# Altium PCB CL-HC-M-V2.1.PcbDoc (part 3 of 19)
Units mil, origin at the board's own origin, x right, y up, seen from the top; angles counter-clockwise.
Board outline 27559.06 x 27559.06 mil, 2 copper layers (TopLayer, BottomLayer); 704 components, 528 nets, 2453 pads, 1851 vias.
Unrouted connection lines stored in the file: 126.
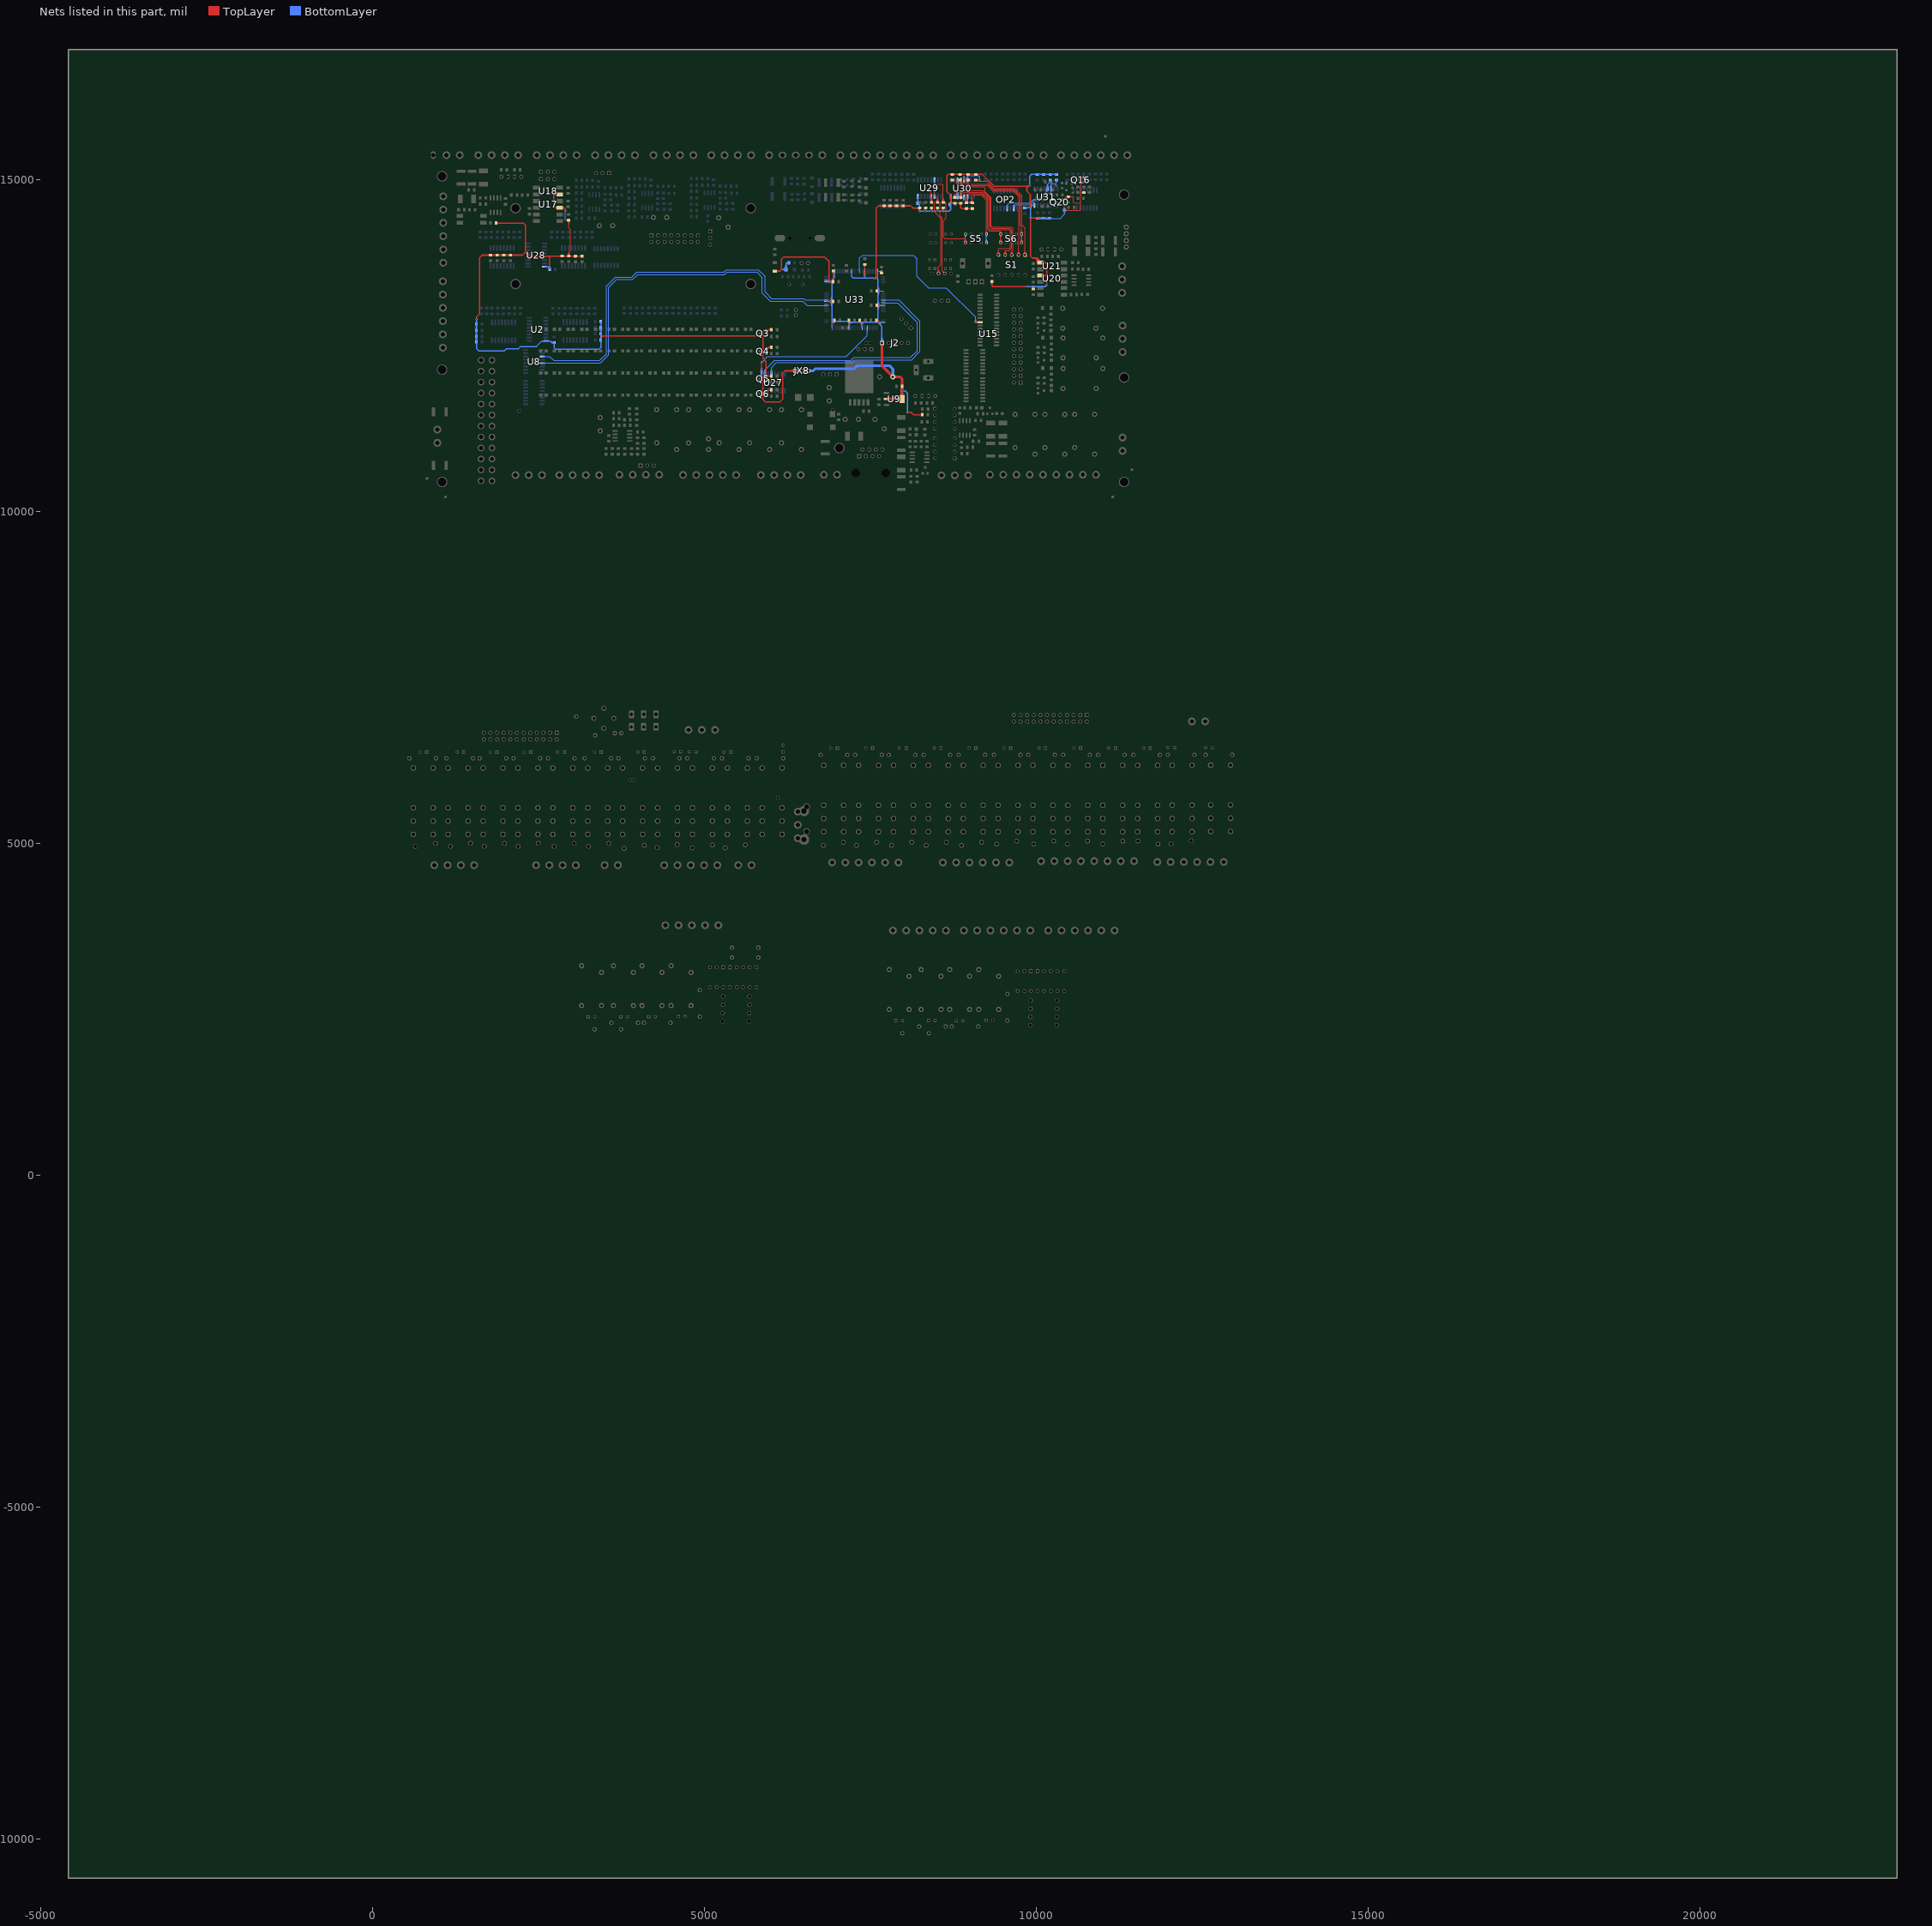
[diagram p3: the nets of this part, all layers, seen from the top]

## Via types
v1: diameter 25, hole 15, TopLayer to BottomLayer, tented both sides, 1813 vias
v2: diameter 20, hole 12, TopLayer to BottomLayer, tented both sides, 24 vias
v3: diameter 25, hole 15, TopLayer to BottomLayer, 13 vias
v4: diameter 40, hole 24, TopLayer to BottomLayer, tented both sides, 1 vias

## Nets (pads, with @x,y where several pads share a name; then routed paths per layer and width w, separated by ;. In a path a pad name is that pad's centre, name@x,y a point inside that pad or via, vN(x,y) a via of type N, cw(c..) or ccw(c..) an arc to the next point about the centre after c; other vN are vias at no path point) (continued)
3V3: C49.1 C50.1 C60.2 C61.2 C64.2 C65.2 C66.2 C67.2 C69.2 C70.2 C71.2 C74.2 C75.2 C76.2 C77.2 C78.2 C82.2 C84.2 D12.2 D13.1 J2.1 JX8.1 JX8.2 JX8.3 Q3.3 Q4.3 Q5.3 Q6.3 Q16.3 Q20.3 R39.2 R40.2 R41.2 R42.2 R43.2 R44.2 R45.2 R46.2 R47.2 R48.2 R49.2 R50.2 R51.2 R52.2 R66.1 R75.2 R76.2 R77.2 R78.2 R81.2 R82.2 R83.1 R84.1 R85.1 R86.1 R87.2 R88.2 R89.2 R90.2 R91.2 R92.1 R93.2 R94.2 R95.2 R96.2 R97.2 R98.1 R99.1 R109.1 R148.2@1861.13,14346.15 R149.2@1563.79,12826.25 R150.2@1562.87,12729.49 R151.2@1563.79,12634.75 R152.2@1565.89,12557.35 R174.1 R175.1@9957.13,13353.69 R189.1 R207.1 R209.1 R211.1 R213.1 R259.1 R267.1 U2.16 U9.2 U17.1 U18.1 U20.1 U21.1 U28.16 U29.16 U30.16 U31.16 U33.17 U33.32 U33.33 U33.39 U33.52 U33.62 U33.72 U33.84 U33.95 U33.108 U33.121 U33.131 U33.144 | length 57652.9
  TopLayer w10: R40.2@3155.7,13849.63 R40.2@3157.38,13847.95 ; v1@6898.56,13453.99 C64.2@6936.84,13446.29 ; v1@6898.62,13468.36 C64.2@6936.96,13475.74 ; v1@6899.55,13159.31 C71.2@6936.6,13151.23 ; v1@6899.75,13173.64 C71.2@6937.03,13180.63 ; v1@6901.42,13453.7 C64.2@6939.78,13461 ; v1@6901.46,13453.7 C64.2@6939.63,13461.16 ; v1@6902.49,13158.97 C71.2@6939.78,13165.89 ; v1@6902.61,13158.98 C71.2@6939.23,13166.44 ; v1@6902.61,13173.9 C71.2@6939.23,13166.44 ; v1@6902.71,13173.89 C71.2@6939.78,13165.89 ; v1@6904.19,13454.51 C64.2@6936.96,13475.74 ; v1@6904.24,13467.79 C64.2@6936.84,13446.29 ; v1@6905.34,13159.8 C71.2@6937.03,13180.63 ; v1@6905.53,13172.98 C71.2@6936.6,13151.23 ; v1(6923.41,12828.83) 6948.03,12828.83 ; v1@6924.55,12821.42 6948.03,12828.83 ; v1@6924.55,12836.24 6948.03,12828.83 ; C64.2@6925.16,13469.37 6943.65,13516.25 ; C70.2@6928.81,13620.33 6943.65,13572.58 C70.2@6958.48,13620.33 ; C64.2@6939.78,13466 6943.65,13516.25 ; C61.2@6942.58,12873.1 6957.28,12838.08 ; C70.2@6943.65,13622.58 6943.65,13464.86 C64.2@6939.78,13461 ; C64.2@6954.74,13467.09 6943.65,13516.25 ; C61.2@6957.28,12876.06 6957.28,12838.08 ; C61.2@6957.28,12881.06 6957.28,12838.08 ; C61.2@6971.99,12873.1 6957.28,12838.08 ; C84.2@7327.91,12872.06 7342.58,12838.89 ; C84.2@7342.58,12875.16 7342.58,12838.89 ; C84.2@7342.58,12880.16 7342.58,12838.89 ; C84.2@7357.26,12872.06 7342.58,12838.89 ; v1@7376.12,12821.42 7352.64,12828.83 ; v1@7376.12,12836.24 7352.64,12828.83 ; v1(7377.27,12828.83) 7352.64,12828.83 ; C69.2@7400.67,13720.94 7416.09,13673.36 ; v1@7408.61,13565.23 7416.09,13607.07 v1@7423.56,13565.23 ; v1(7416.09,13564.57) 7416.09,13722.76 C69.2@7415.48,13723.37 7416.09,13673.36 ; C69.2@7430.33,13721.3 7416.09,13673.36 ; C66.2@7590.53,12881.15 7625.73,12881.15 ; C66.2@7593.72,12866.5 7625.73,12881.15 ; C66.2@7593.72,12895.81 7625.73,12881.15 ; v1@7627.66,12852.86 7635.04,12871.85 ; v1@7631.41,13100.82 C67.2@7600.68,13122.08 ; v1@7631.41,13113.95 C67.2@7600.68,13092.69 ; v1@7631.41,13317.35 C65.2@7600.68,13338.61 ; v1@7631.41,13330.48 C65.2@7600.68,13309.22 ; v1@7634.28,13099.92 C67.2@7597.67,13107.39 ; v1@7634.28,13114.85 C67.2@7597.67,13107.39 ; v1@7634.28,13316.46 C65.2@7597.67,13323.92 ; v1@7634.28,13331.38 C65.2@7597.67,13323.92 ; v1(7635.04,12851.48) 7635.04,12871.85 ; v1@7637.28,13100.23 C67.2@7600.68,13092.69 ; v1@7637.28,13114.54 C67.2@7600.68,13122.08 ; v1@7637.28,13316.76 C65.2@7600.68,13309.22 ; v1@7637.28,13331.08 C65.2@7600.68,13338.61 ; v1@7640.01,13323.37 v1(7635.04,13323.92) ; v1@7642.41,12852.86 7635.04,12871.85 ; v1(6900.74,13461.16) C64.2@6939.63,13461.16 ; v1(6900.74,13461.16) C64.2@6936.84,13446.29 ; v1(6900.74,13461.16) C64.2@6936.96,13475.74 ; v1(6900.74,13461.16) C64.2@6939.78,13461 ; v1(6901.86,13166.44) C71.2@6939.23,13166.44 ; v1(6901.86,13166.44) C71.2@6936.6,13151.23 ; v1(6901.86,13166.44) C71.2@6937.03,13180.63 ; v1(6901.86,13166.44) C71.2@6939.78,13165.89 ; C71.2@6939.23,13166.44 C71.2@6939.78,13165.89 ; C64.2@6939.63,13461.16 C64.2@6939.78,13461 ; C64.2@6939.63,13461.16 6901.46,13468.63 C64.2@6939.78,13461 ; 6948.03,12828.83 6957.28,12838.08 ; 7342.58,12838.89 7352.64,12828.83 ; C67.2@7597.67,13107.39 v1(7635.04,13107.39) ; C65.2@7597.67,13323.92 v1(7635.04,13323.92) ; C67.2@7600.68,13092.69 v1(7635.04,13107.39) ; C67.2@7600.68,13122.08 v1(7635.04,13107.39) ; C65.2@7600.68,13309.22 v1(7635.04,13323.92) ; C65.2@7600.68,13338.61 v1(7635.04,13323.92) ; 7625.73,12881.15 7635.04,12871.85
  TopLayer w15: U17.1@2823.29,14577.96 2892.57,14577.96 ; U17.1@2842.98,14577.96 2892.57,14577.96 ; U17.1@2847.87,14556.49 2892.57,14577.96 ; U17.1@2847.87,14599.44 2892.57,14577.96 ; v1(2906.76,14534.69) 2906.76,14563.78 2892.57,14577.96 ; R174.1@2941.62,14388.56 2954.07,14324.76 R174.1@2966.51,14388.56 ; R87.2@2944.98,13851.24 2957.38,13898.18 ; R174.1@2947.22,14377.4 v1(2906.76,14389.76) ; R174.1@2947.22,14402.12 v1(2906.76,14389.76) ; R174.1@2949.07,14389.76 v1(2906.76,14389.76) ; R87.2@2957.38,13849.63 2957.38,13898.18 ; R87.2@2969.77,13851.24 2957.38,13898.18 ; Q20.3@10400.92,14696.83 10433.19,14696.84 ; Q20.3@10401.9,14696.83 10433.19,14696.84 ; Q20.3@10403.57,14686.76 10433.19,14696.84 ; Q20.3@10403.57,14706.91 10433.19,14696.84 ; R267.1@10475.84,14756.25 10449.93,14743.9 ; R267.1@10475.98,14731.85 10449.93,14743.9 ; R267.1@10478.63,14744.07 10449.93,14743.9 ; R267.1@10488.63,14744.07 10546.53,14743.9 ; R267.1@10489.95,14731.64 10546.53,14743.9 ; R267.1@10490.02,14756.49 10546.53,14743.9 ; R259.1@10709.97,14793.09 10680.04,14805.35 ; R259.1@10709.97,14817.62 10680.04,14805.35 ; R259.1@10712.38,14805.35 10680.04,14805.35 ; Q16.3@10714.7,15025.84 10685.68,15035.91 ; Q16.3@10714.7,15045.98 10685.68,15035.91 ; Q16.3@10716.4,15035.91 10685.68,15035.91 ; R259.1@10717.38,14805.35 10680.04,14805.35 ; Q16.3@10717.38,15035.91 10685.68,15035.91 ; v1(2906.76,14389.76) R174.1@2954.07,14389.76 2954.07,14271.89 2982.48,14243.47 2982.48,13923.28 2957.38,13898.18 ; 10433.19,14696.84 10441.66,14705.31 10441.66,14735.63 10449.93,14743.9 ; 10449.93,14743.9 10546.53,14743.9 ; 10459.76,14538.86 10423.88,14574.74 v1(10423.88,14575.85) 10459.76,14538.86 ; 10459.76,14538.86 10657.98,14538.86 10669.3,14550.17 10669.3,14655.08 ; 10546.53,14743.9 10561.63,14728.79 10561.63,14663.36 10575.99,14649.01 10663.22,14649.01 10669.3,14655.08 ; 10669.3,14655.08 10669.3,14772.68 10674.01,14777.39 10674.01,14811.38 ; 10674.01,14811.38 10680.04,14805.35 ; 10674.01,14811.38 10674.01,15024.24 10685.68,15035.91
  TopLayer w18: R109.1@9321.68,13465.15 9332.63,13406.65 ; R109.1@9332.63,13466.17 9332.63,13406.65 ; R109.1@9343.59,13465.15 9332.63,13406.65 ; 9783.55,13391.03 v1(9850.05,13391.03) 9348.26,13391.03 9332.63,13406.65 ; R175.1@9946.25,13355.31 v1(9957.13,13391.03) ; R175.1@9957.13,13353.69 v1(9957.13,13391.03) ; R175.1@9968.01,13355.31 v1(9957.13,13391.03) ; U21.1@10024.29,13741.16 9997.72,13818.02 ; U21.1@10042.69,13750.26 9997.72,13818.02 ; U21.1@10058.22,13763.68 9997.72,13818.02 ; U20.1@10062.38,13558.29 10062.64,13559.81 10154.91,13559.81 ; U21.1@10062.38,13750.26 U21.1@10062.38,13753.36 ; U20.1@10082.06,13558.29 10154.91,13559.81 ; U21.1@10082.06,13750.26 10139.16,13749.31 ; U20.1@10084.53,13578.67 10154.91,13559.81 ; U20.1@10085.37,13538.03 10154.91,13559.81 ; U21.1@10085.41,13730.01 10139.16,13749.31 ; U21.1@10086.09,13770.39 10139.16,13749.31 ; 10160.41,13486.88 v1(10160.44,13420.38) 10160.41,13554.31 ; 9997.72,13818.02 U21.1@10062.38,13753.36 ; U21.1@10062.38,13753.36 10062.64,13753.1 10065.34,13753.1 10069.13,13749.31 10139.16,13749.31 ; 10139.16,13749.31 10160.41,13728.06 10160.41,13554.31 ; 10154.91,13559.81 10160.41,13554.31
  TopLayer w20: v1(1565.89,12895.11) 1565.89,12929.79 1615.89,12979.79 1615.89,13828.36 1650.89,13863.36 R88.2@1777.76,13863.36 ; 1692.76,13863.36 R88.2@1772.76,13863.36 ; R148.2@1861.13,14346.15 2275.51,14346.15 2301.67,14319.99 2301.67,13911.79 2305.57,13907.89 ; R91.2@2077.38,13863.36 2261.04,13863.36 2305.57,13907.89 ; R91.2@2082.38,13863.36 2162.38,13863.36 ; v1(2665.9,13688.36) 2665.9,13849.63 ; 2772.38,13849.63 R81.2@2852.38,13849.63 ; U17.1@2800.27,14558.72 2746.5,14577.96 ; U17.1@2800.27,14597.2 2746.5,14577.96 ; U18.1@2800.53,14760.28 2741.72,14779.56 ; U18.1@2800.53,14798.85 2741.72,14779.56 ; U17.1@2803.61,14577.96 2746.5,14577.96 ; U18.1@2803.61,14779.56 2741.72,14779.56 ; U17.1@2823.29,14577.96 2746.5,14577.96 ; U18.1@2823.29,14779.56 2741.72,14779.56 ; R81.2@2862.38,13849.63 R87.2@2942.38,13849.63 ; R87.2@2972.34,13849.63 R41.2@3052.38,13847.95 ; R41.2@3042.37,13848.16 2962.38,13849.63 R41.2@3042.38,13849.63 ; R41.2@3057.38,13847.95 R40.2@3157.38,13847.95 ; R41.2@3072.25,13848.16 R40.2@3152.38,13847.95 ; R41.2@3072.33,13849.63 R40.2@3152.38,13847.95 ; R40.2@3142.38,13847.95 3062.38,13847.95 R40.2@3142.41,13849.63 ; R40.2@3155.7,13849.63 R87.2@2957.38,13849.63 R81.2@2857.38,13849.63 2665.9,13849.63 ; 3522.08,12644.12 v1(3443.95,12630.92) ; Q6.3@5927.67,11812.85 5893.36,11812.85 ; Q5.3@5927.67,12037.85 5893.58,12037.85 ; Q4.3@5927.67,12452.85 5882.11,12452.85 ; Q3.3@5927.67,12722.85 5894.84,12722.85 ; Q5.3@5929.64,12037.85 R211.1@6007.54,12040.98 ; Q5.3@5931.18,12037.91 R211.1@6011.13,12040.98 5931.78,12040.98 Q5.3@5928.65,12037.85 ; Q3.3@5932.56,12723.5 R207.1@6011.13,12735.98 ; Q6.3@5933.41,11813.92 R213.1@6011.13,11830.98 ; Q4.3@5933.41,12453.92 R209.1@6011.13,12470.98 ; D13.1@6060.46,13621.13 6134.79,13621.13 ; D13.1@6065.46,13621.13 6134.79,13621.13 ; D13.1@6067.08,13606.21 6134.79,13621.13 ; D13.1@6067.08,13636.04 6134.79,13621.13 ; JX8.1@6366.55,12099.97 6279.15,12119.38 JX8.1@6366.55,12138.79 ; JX8.1@6368.68,12119.38 6210.37,12119.38 6177.79,12086.8 6177.79,11691.71 6138.18,11652.09 5918.83,11652.09 5883.09,11687.84 5883.09,11823.13 ; v1(6900.74,13461.16) 6877.62,13484.28 6877.62,13769.56 6814.71,13832.47 6191.59,13832.47 6160.81,13801.7 v1(6160.81,13647.15) 6134.79,13621.13 ; C60.2@7177.5,12876.06 v1(7177.5,12831.74) C60.2@7177.5,12881.06 ; v1(7587.94,13516.4) 7587.94,14570.6 7623.84,14606.5 ; R39.2@7701.97,14605.86 7623.84,14606.5 ; R39.2@7711.54,14606.5 7791.54,14606.5 7711.97,14605.86 R52.2@7791.98,14606.5 ; R52.2@7811.51,14606.5 R51.2@7891.54,14607.61 ; R51.2@7881.54,14606.5 7801.54,14606.5 R51.2@7881.53,14607.47 ; R51.2@7901.54,14607.61 R50.2@7981.55,14606.5 ; R51.2@7911.48,14607.47 7991.54,14607.61 R51.2@7911.51,14606.5 ; R50.2@8001.54,14607.61 8081.55,14606.5 ; v3(8059.26,11495.12) 8113.34,11495.12 8149.4,11459.06 R66.1@8283.59,11459.06 8203.59,11459.06 ; 8157.45,14570.28 R83.1@8237.76,14575.04 ; v1(8332.76,14524.66) R82.2@8332.76,14575.04 ; 8715.49,14737.95 v1(8714.38,14665.42) 8731.94,14647.19 ; R95.2@8729.38,15079.52 8668.74,15079.52 ; R96.2@8770.9,14647.19 8731.94,14647.19 ; R96.2@8777.78,14647.19 8857.78,14647.19 8780.9,14647.19 R97.2@8860.9,14647.19 ; 8819.39,15080.39 R95.2@8739.38,15079.52 ; 8887.88,15080.39 R86.1@8967.9,15079.42 ; R85.1@8944.03,14564.72 8877.91,14564.72 ; R85.1@8952.16,14564.72 9032.16,14564.72 8954.03,14564.72 R84.1@9034.03,14564.72 ; R84.1@9037.16,14564.72 8877.91,14564.72 ; 9057.91,15080.39 R86.1@8977.9,15079.42 ; R93.2@9097.15,15079.52 9177.15,15079.52 ; 9911.63,14648.25 v1(9912.22,14575.74) 9911.63,14575.15 9911.63,14776.12 9859.78,14827.97 9859.78,14897.58 ; v1@9912.22,14424.09 v1(10067.41,14424.09) ; 9984.72,14424.09 v1(9912.22,14423.8) 9912.22,13851.43 9945.63,13818.02 9997.72,13818.02 ; 2305.57,13907.89 2363.83,13849.63 2665.9,13849.63 ; 2741.72,14779.56 2728.31,14766.16 2728.31,14596.15 2746.5,14577.96 ; R40.2@3152.38,13847.95 3072.38,13847.95 R40.2@3152.38,13847.95 ; v1(3443.95,12630.92) 3457.15,12644.12 ; v1(3443.95,12630.92) 3457.15,12644.12 ; 3457.15,12644.12 5880.55,12644.12 ; 5880.55,12451.29 5880.55,12644.12 ; 5880.55,12451.29 5880.55,12305.68 5928.65,12257.58 Q5.3@5928.65,12037.85 ; 5880.55,12451.29 5882.11,12452.85 ; 5880.55,12644.12 5880.55,12708.56 5894.84,12722.85 ; 5882.11,12452.85 Q4.3@5928.65,12452.85 5951.78,12475.98 ; 5883.09,11823.13 5893.36,11812.85 ; 5883.09,11823.13 5883.09,12027.36 5893.58,12037.85 ; 5893.36,11812.85 Q6.3@5928.65,11812.85 5951.78,11835.98 ; 5893.58,12037.85 Q5.3@5928.65,12037.85 ; 5894.84,12722.85 Q3.3@5928.65,12722.85 5946.78,12740.98 ; Q6.3@5929.64,11812.85 5951.78,11835.98 ; Q6.3@5929.64,11812.85 R213.1@6011.13,11835.98 5951.78,11835.98 ; Q6.3@5929.64,11812.85 5951.78,11835.98 ; Q4.3@5929.64,12452.85 5951.78,12475.98 ; Q4.3@5929.64,12452.85 R209.1@6011.13,12475.98 5951.78,12475.98 ; Q4.3@5929.64,12452.85 5951.78,12475.98 ; Q3.3@5929.64,12722.85 5946.78,12740.98 ; Q3.3@5929.64,12722.85 R207.1@6011.13,12740.98 5946.78,12740.98 ; Q3.3@5929.64,12722.85 5946.78,12740.98 ; 7623.84,14606.5 8108.26,14606.5 8144.48,14570.28 8238,14570.28 R83.1@8242.76,14575.04 ; R83.1@8242.76,14575.04 v1(8242.76,14524.66) R83.1@8242.76,14575.04 ; v1(8512.76,14524.66) R99.1@8512.76,14575.04 ; v1(8512.76,14524.66) R99.1@8512.76,14575.04 ; v1(8512.76,14524.66) R99.1@8512.76,14575.04 ; v1(8597.76,14524.66) R92.1@8597.76,14575.04 ; v1(8597.76,14524.66) R92.1@8597.76,14575.04 ; v1(8597.76,14524.66) R92.1@8597.76,14575.04 ; 8668.74,15079.52 R95.2@8734.38,15079.52 8735.25,15080.39 9091.29,15080.39 R93.2@9092.15,15079.52 9189.18,15079.52 9371.12,14897.58 9859.78,14897.58 ; 8668.74,15079.52 8657.54,15068.33 8657.54,14817.85 8715.49,14759.9 8715.49,14663.64 8731.94,14647.19 ; 8731.94,14647.19 R97.2@8862.78,14647.19 ; R95.2@8739.38,15079.52 8848.64,15079.52 8768.63,15080.39 R95.2@8739.38,15079.52 ; 8862.78,14579.85 8877.91,14564.72 ; 8862.78,14579.85 R97.2@8862.78,14647.19 ; 8862.78,14579.85 R97.2@8862.78,14647.19 ; R86.1@8967.9,15079.42 8938.65,15080.39 8858.64,15079.52 R86.1@8967.9,15079.42 ; R86.1@8977.9,15079.42 9087.15,15079.52 9007.14,15080.39 R86.1@8977.9,15079.42 ; 9859.78,14897.58 9884.95,14897.58 ; 9859.78,14897.58 v1(9900.08,14912.72) ; 9884.95,14897.58 v1(9900.08,14912.72) ; 9884.95,14897.58 v1(9900.08,14912.72) ; R81.2@2872.38,13849.63 2952.38,13849.63 R81.2@2872.38,13849.63 ; v1(8422.76,14524.66) R98.1@8422.76,14575.04 v1(8422.76,14524.66)
  TopLayer w30: 9997.72,13818.02 10011.14,13818.02 ; U21.1@10042.69,13750.26 10011.14,13818.02 ; U21.1@10062.38,13753.36 10062.38,13766.78 10011.14,13818.02 ; R89.2@1877.38,13863.36 R90.2@1977.38,13863.36 ; R89.2@1877.38,13863.36 R88.2@1777.76,13863.36 1872.38,13863.36 1782.76,13863.36 R89.2@1877.38,13863.36 ; R89.2@1877.38,13863.36 1972.38,13863.36 1882.38,13863.36 R90.2@1977.38,13863.36 ; R90.2@1977.38,13863.36 R91.2@2077.38,13863.36 1982.38,13863.36 2072.38,13863.36 R90.2@1977.38,13863.36
  TopLayer w40: J2.1@7676.73,12539.55 7676.73,12193.26 C49.1@7840.45,12029.54 ; 7716.23,12153.76 C49.1@7840.45,12029.54 ; U9.2@7744.3,11696.59 U9.2@7980.52,11696.59 ; U9.2@7769.89,11696.59 7903.67,11696.59 ; C50.1@7980.52,11893.18 7980.52,12000.65 ; C49.1@7840.45,12029.54 7951.63,12029.54 7980.52,12000.65 ; v3(7975.72,11820.24) C50.1@7980.52,11888.18 ; v3(7975.72,11820.24) U9.2@7980.52,11696.59 ; v3(7975.72,11820.24) 7980.52,11875.65 7980.52,11716.28 v3(7975.72,11820.24) ; v3(7975.72,11820.24) C50.1@7980.52,11883.18 ; v3(7975.72,11820.24) U9.2@7980.52,11743.18 ; v3(7975.72,11820.24) C50.1@7980.52,11883.18 ; v3(7975.72,11820.24) U9.2@7980.52,11743.18 ; U9.2@7980.52,11696.59 C50.1@7980.52,11888.18 ; U9.2@7980.52,11743.18 C50.1@7980.52,11883.18 ; U9.2@7980.52,11743.18 C50.1@7980.52,11883.18 ; C50.1@7980.52,11888.18 7980.52,12000.65
  BottomLayer w10: U33.17@6841.28,13165.89 v1@6896.89,13165.89 ; U33.32@6841.28,13461.16 v1(6900.74,13461.16) ; v1@6894.77,13456.62 6881.05,13480.85 ; v1@6897.75,13454.28 6859.78,13474.83 ; v1@6899.77,13453.73 U33.32@6871.53,13461.16 ; v1@6899.77,13468.6 U33.32@6871.53,13461.16 ; v1@6900.23,13461.67 U33.33@6841.28,13480.85 6881.05,13480.85 ; v1@6900.8,13173.86 U33.17@6871.53,13165.89 ; v1@6901.07,13158.98 U33.17@6871.53,13165.89 ; v1@6902.48,13468.46 6859.78,13474.83 ; v1@6905.28,13467.13 6881.05,13480.85 ; U33.144@6923.96,12768.25 6923.96,12823.86 U33.144@6923.96,12798.5 ; U33.39@6963.33,13592.33 6963.33,13565.79 U33.39@6963.33,13622.58 ; v1@7170.13,12830.37 U33.131@7179.87,12798.5 ; v1(7177.5,12831.74) U33.131@7179.87,12798.5 ; U33.131@7179.87,12768.25 7179.87,12823.86 U33.131@7179.87,12798.5 ; v1@7184.99,12831.43 U33.131@7179.87,12798.5 ; U33.52@7219.24,13592.33 7219.24,13571.01 U33.52@7219.24,13622.58 ; v1@7369.81,12828.04 U33.121@7376.72,12798.5 ; v1@7369.88,12830.14 7377.27,12850.33 ; 7376.12,12851.48 7377.27,12850.33 ; U33.121@7376.72,12768.25 v1@7376.72,12823.86 ; v1@7384.65,12830.14 7377.27,12850.33 ; v1@7384.69,12827.76 U33.121@7376.72,12798.5 ; v1@7408.61,13563.91 7416.09,13522.07 ; v1@7408.65,13565.58 U33.62@7416.09,13592.33 ; U33.62@7416.09,13622.58 v1(7416.09,13564.57) ; 7416.14,13517.16 7416.09,13517.21 v1(7416.09,13564.57) ; v1@7423.56,13563.91 7416.09,13522.07 ; v1@7423.52,13565.58 U33.62@7416.09,13592.33 ; 7612.94,13557.58 U33.72@7612.94,13592.33 ; 7616.6,13501.52 7612.94,13505.18 U33.72@7612.94,13622.58 v1(7669.4,13622.58) 7626.9,13622.58 ; v1(7635.04,12851.48) U33.108@7665.36,12850.93 ; v1@7635.83,12844.02 U33.108@7665.36,12850.93 ; v1@7635.83,13099.93 U33.95@7665.36,13106.83 ; v1@7635.83,13316.46 U33.84@7665.36,13323.37 ; v1@7636.1,12858.9 U33.108@7665.36,12850.93 ; v1@7636.1,13114.81 U33.95@7665.36,13106.83 ; v1@7636.1,13331.34 U33.84@7665.36,13323.37 ; v1@7668.74,13615.11 7626.9,13622.58 ; v1@7668.74,13630.05 7626.9,13622.58 ; U33.108@7695.61,12850.93 7640.01,12850.93 U33.108@7665.36,12850.93 ; U33.95@7695.61,13106.83 v1@7640.01,13106.83 ; U33.84@7695.61,13323.37 v1@7640.01,13323.37 ; 6859.78,13474.83 v1(6900.74,13461.16) ; U33.17@6871.53,13165.89 v1@6896.89,13165.89 ; U33.17@6871.53,13165.89 v1(6901.86,13166.44) v1@6896.89,13165.89 ; U33.32@6871.53,13461.16 v1(6900.74,13461.16) ; U33.32@6871.53,13461.16 v1(6900.74,13461.16) ; 6881.05,13480.85 v1(6900.74,13461.16) ; 6881.05,13480.85 6871.53,13480.85 6881.05,13480.85 ; 6881.05,13480.85 v1(6900.74,13461.16) ; U33.121@7376.72,12798.5 v1@7376.72,12823.86 ; U33.121@7376.72,12798.5 v1(7377.27,12828.83) ; v1@7376.72,12823.86 v1(7377.27,12828.83) ; v1(7377.27,12828.83) 7377.27,12850.33 ; 7416.09,13522.07 v1(7416.09,13564.57) ; v1(7416.09,13564.57) U33.62@7416.09,13592.33 ; v1@7640.01,13106.83 v1(7635.04,13107.39) U33.95@7665.36,13106.83 ; v1@7640.01,13106.83 U33.95@7665.36,13106.83 ; v1@7640.01,13323.37 v1(7635.04,13323.92) U33.84@7665.36,13323.37 ; v1@7640.01,13323.37 U33.84@7665.36,13323.37
  BottomLayer w15: v1(2906.76,14389.76) v1(2906.76,14534.69) ; 9921.12,14603.24 9931.51,14613.63 ; U31.16@9971.26,14613.27 U31.16@9971.61,14613.63 ; R43.2@10115.06,14407.08 R44.2@10180.72,14408.93 ; R43.2@10115.24,14432.03 R44.2@10181.04,14429.24 ; R43.2@10118.9,14407.42 R44.2@10181.04,14429.24 ; R43.2@10119.08,14431.64 R44.2@10180.72,14408.93 ; R43.2@10125.71,14419.06 v1(10067.41,14424.09) ; R44.2@10192.61,14406.61 R43.2@10128.82,14419.06 ; R44.2@10192.61,14431.5 R43.2@10128.82,14419.06 ; R44.2@10193.82,14419.06 R43.2@10128.82,14419.06 ; R44.2@10203.82,14419.06 10268.82,14419.06 ; R44.2@10205.02,14406.61 10268.82,14419.06 ; R44.2@10205.02,14431.5 10268.82,14419.06 ; R45.2@10413.58,14540.29 10426.02,14479.36 ; R45.2@10438.14,14544.58 v1(10423.88,14575.85) ; R45.2@10438.45,14540.29 10426.02,14479.36 ; R42.2@10040.61,14429.08 10102.93,14407.41 v1(10067.41,14424.09) ; R42.2@10040.61,14429.08 10106.52,14432.03 v1(10067.41,14424.09) ; R42.2@10040.61,14429.08 R43.2@10105.9,14419.55 ; R42.2@10040.61,14429.08 v1(10067.41,14424.09) ; R42.2@10040.61,14429.08 v1(10067.41,14424.09) ; R42.2@10040.61,14429.08 v1(10067.41,14424.09) ; R42.2@10040.9,14419.06 R43.2@10104.79,14407.1 ; R42.2@10040.9,14419.06 R43.2@10104.6,14431.98 ; R42.2@10040.9,14419.06 R43.2@10105.9,14419.55 ; R42.2@10040.89,14419.06 R43.2@10104.79,14407.1 ; R42.2@10040.89,14419.06 R43.2@10104.6,14431.98 ; R42.2@10040.89,14419.06 R43.2@10105.9,14419.55 ; R42.2@10040.9,14419.06 v1(10067.41,14424.09) ; R42.2@10040.9,14419.06 v1(10067.41,14424.09) ; R42.2@10040.9,14419.06 v1(10067.41,14424.09) ; R42.2@10040.89,14419.06 v1(10067.41,14424.09) ; R42.2@10040.89,14419.06 v1(10067.41,14424.09) ; R42.2@10040.89,14419.06 v1(10067.41,14424.09) ; R42.2@10040.97,14409.1 10106.7,14407.08 v1(10067.41,14424.09) ; R42.2@10040.97,14409.1 10102.75,14431.65 v1(10067.41,14424.09) ; R42.2@10040.97,14409.1 R43.2@10105.9,14419.55 ; R42.2@10040.97,14409.1 v1(10067.41,14424.09) ; R42.2@10040.97,14409.1 v1(10067.41,14424.09) ; R42.2@10040.97,14409.1 v1(10067.41,14424.09) ; v1(10067.41,14424.09) R42.2@10021.99,14419.06 R44.2@10198.82,14419.06 10365.71,14419.06 10426.02,14479.36 ; v1(10067.41,14424.09) R43.2@10091.99,14419.06 ; v1(10067.41,14424.09) 10028.19,14431.5 R43.2@10091.99,14419.06 ; v1(10067.41,14424.09) R43.2@10091.99,14419.06 ; v1(10067.41,14424.09) 10028.19,14406.61 R43.2@10091.99,14419.06 ; v1(10067.41,14424.09) R43.2@10091.99,14419.06 ; v1(10067.41,14424.09) 10026.99,14419.06 R43.2@10091.99,14419.06 ; v1(10067.41,14424.09) R43.2@10104.79,14407.1 ; v1(10067.41,14424.09) R43.2@10104.6,14431.98 ; v1(10067.41,14424.09) R43.2@10105.9,14419.55 ; v1(10067.41,14424.09) R43.2@10105.9,14419.55 ; v1(10067.41,14424.09) R43.2@10105.9,14419.55 ; v1(10067.41,14424.09) R43.2@10104.79,14407.1 ; v1(10067.41,14424.09) R43.2@10104.6,14431.98 ; v1(10067.41,14424.09) R43.2@10105.9,14419.55 ; R43.2@10115.9,14419.55 R44.2@10180.9,14419.06 ; R43.2@10115.9,14419.55 R44.2@10180.72,14408.93 ; R43.2@10115.9,14419.55 R44.2@10181.04,14429.24 ; R43.2@10115.9,14419.55 R44.2@10180.91,14419.06 ; R44.2@10180.9,14419.06 10117.2,14431.98 R44.2@10180.91,14419.06 ; R44.2@10180.9,14419.06 10117.01,14407.1 R44.2@10180.91,14419.06 ; R45.2@10423.88,14543.69 v1(10423.88,14575.85) ; R45.2@10423.88,14543.69 R45.2@10426.02,14541.55 ; R45.2@10423.88,14543.69 v1(10423.88,14575.85) ; v1(10423.88,14575.85) 10413.61,14543.05 v1(10423.88,14575.85) ; v1(10423.88,14575.85) R45.2@10426.02,14541.55 ; 10426.02,14479.36 R45.2@10426.02,14541.55